# KiCad board RCP-FLEX.kicad_pcb
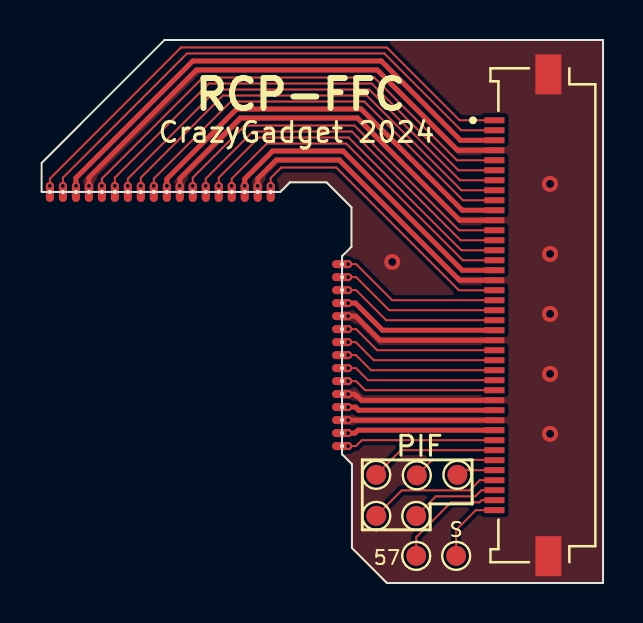
[diagram p0: board, top side]
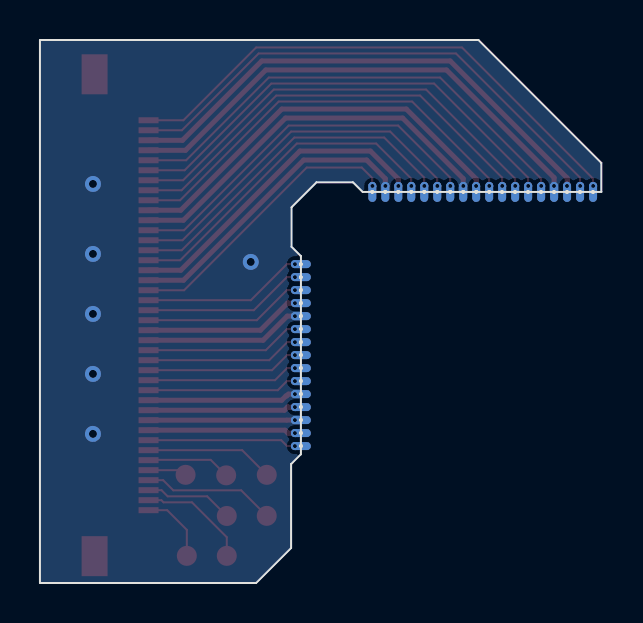
[diagram p1: board, bottom side, seen from below]

Outline 28.1 x 27.16 mm; copper layers: Top, Bottom. Coordinates in mm from the lower left corner of the outline.
Outline path: 0,19.56 0,21.01 6.15,27.16 28.1,27.16 28.1,0 17.28,0 15.53,1.75 15.53,5.95 15.04,6.44 15.04,16.35 15.51,16.82 15.51,18.79 14.26,20.04 12.43,20.04 11.95,19.56 0,19.56

## Placement (name value [footprint] x y rotation side)
J1  Conn_01x40_MountingPin  [MOLEX_505110-4091-REVERSE-PINOUT]  25.09 13.39 90 top
TP1  Cart-3  [TestPoint_RCP-NUS]  0.41 19.56 0 top
TP2  Cart-28  [TestPoint_RCP-NUS]  1.06 19.56 0 top
TP3  3v3  [TestPoint_RCP-NUS]  1.72 19.56 0 top
TP4  GND  [TestPoint_RCP-NUS]  2.37 19.56 0 top
TP5  Cart-4  [TestPoint_RCP-NUS]  3.02 19.56 0 top
TP6  Cart-29  [TestPoint_RCP-NUS]  3.66 19.56 0 top
TP7  Cart-5  [TestPoint_RCP-NUS]  4.31 19.56 0 top
TP8  Cart-30  [TestPoint_RCP-NUS]  4.97 19.56 0 top
TP9  Cart-7  [TestPoint_RCP-NUS]  5.62 19.56 0 top
TP10  3v3  [TestPoint_RCP-NUS]  6.27 19.56 0 top
TP11  GND  [TestPoint_RCP-NUS]  6.91 19.56 0 top
TP12  Cart-32  [TestPoint_RCP-NUS]  7.56 19.56 0 top
TP13  Cart-8  [TestPoint_RCP-NUS]  8.22 19.56 0 top
TP14  Cart-33  [TestPoint_RCP-NUS]  8.87 19.56 0 top
TP15  Cart-10  [TestPoint_RCP-NUS]  9.52 19.56 0 top
TP16  3v3  [TestPoint_RCP-NUS]  10.16 19.56 0 top
TP17  GND  [TestPoint_RCP-NUS]  10.81 19.56 0 top
TP18  Cart-35  [TestPoint_RCP-NUS]  11.47 19.56 0 top
TP19  Cart-11  [TestPoint_RCP-NUS]  15.04 15.95 90 top
TP20  Cart-36  [TestPoint_RCP-NUS]  15.04 15.3 90 top
TP21  Cart-12  [TestPoint_RCP-NUS]  15.04 14.65 90 top
TP22  3v3  [TestPoint_RCP-NUS]  15.04 14 90 top
TP23  GND  [TestPoint_RCP-NUS]  15.04 13.35 90 top
TP24  Cart-37  [TestPoint_RCP-NUS]  15.04 12.7 90 top
TP25  Cart-15  [TestPoint_RCP-NUS]  15.04 12.05 90 top
TP26  Cart-40  [TestPoint_RCP-NUS]  15.04 11.4 90 top
TP27  Cart-16  [TestPoint_RCP-NUS]  15.04 10.75 90 top
TP28  Cart-41  [TestPoint_RCP-NUS]  15.04 10.1 90 top
TP29  GND  [TestPoint_RCP-NUS]  15.04 9.45 90 top
TP30  3v3  [TestPoint_RCP-NUS]  15.04 8.8 90 top
TP31  GND  [TestPoint_RCP-NUS]  15.04 8.15 90 top
TP32  3v3  [TestPoint_RCP-NUS]  15.04 7.5 90 top
TP33  Cart-20  [TestPoint_RCP-NUS]  15.04 6.85 90 top
TP34  PIF-1  [TestPoint_Pad_D1.0mm]  16.75 5.41 0 top
TP35  PIF-3  [TestPoint_Pad_D1.0mm]  18.78 5.38 0 top
TP36  PIF-5  [TestPoint_Pad_D1.0mm]  20.81 5.41 0 top
TP37  PIF-7  [TestPoint_Pad_D1.0mm]  16.75 3.36 0 top
TP38  PIF-24  [TestPoint_Pad_D1.0mm]  18.75 3.35 0 top
TP39  CPU-57  [TestPoint_Pad_D1.0mm]  18.75 1.36 0 top
TP40  VDC-NUS-32  [TestPoint_Pad_D1.0mm]  20.75 1.36 0 top

## Library data of the parts
J1 = -: Description: Generic connectable mounting pin connector, single row, 01x40, script generated (kicad-library-utils/schlib/autogen/connector/)
TP1-TP40 = -: Description: test point

## Footprints (pads in the part's own frame, mm; a bottom-side part is the same pattern mirrored in y, then rotated)
MOLEX_505110-4091-REVERSE-PINOUT
  rect 0.3x1 smd: 1(9.75,2.425) 2(9.25,2.425) 3(8.75,2.425) 4(8.25,2.425) 5(7.75,2.425) 6(7.25,2.425) 7(6.75,2.425) 8(6.25,2.425) 9(5.75,2.425) 10(5.25,2.425) 11(4.75,2.425) 12(4.25,2.425) 13(3.75,2.425) 14(3.25,2.425) 15(2.75,2.425) 16(2.25,2.425) 17(1.75,2.425) 18(1.25,2.425) 19(0.75,2.425) 20(0.25,2.425) 21(-0.25,2.425) 22(-0.75,2.425) 23(-1.25,2.425) 24(-1.75,2.425) 25(-2.25,2.425) 26(-2.75,2.425) 27(-3.25,2.425) 28(-3.75,2.425) 29(-4.25,2.425) 30(-4.75,2.425) 31(-5.25,2.425) 32(-5.75,2.425) 33(-6.25,2.425) 34(-6.75,2.425) 35(-7.25,2.425) 36(-7.75,2.425) 37(-8.25,2.425) 38(-8.75,2.425) 39(-9.25,2.425) 40(-9.75,2.425)
  rect 2x1.3 smd: MP(-12.05,-0.275) MP(12.05,-0.275)
TestPoint_Pad_D1.0mm
  round 1 smd: 1(0,0)
TestPoint_RCP-NUS
  oval 0.4x1 hole 0.2: 1(0,0)

## Nets
3v3: J1.3 J1.10 J1.16 J1.22 J1.30 J1.32 TP3.1 TP10.1 TP16.1 TP22.1 TP30.1 TP32.1
GND: J1.4 J1.11 J1.17 J1.23 J1.29 J1.31 J1.MP TP4.1 TP11.1 TP17.1 TP23.1 TP29.1 TP31.1
Net-(J1-Pin_1): J1.1 TP1.1
Net-(J1-Pin_2): J1.2 TP2.1
Net-(J1-Pin_5): J1.5 TP5.1
Net-(J1-Pin_6): J1.6 TP6.1
Net-(J1-Pin_7): J1.7 TP7.1
Net-(J1-Pin_8): J1.8 TP8.1
Net-(J1-Pin_9): J1.9 TP9.1
Net-(J1-Pin_12): J1.12 TP12.1
Net-(J1-Pin_13): J1.13 TP13.1
Net-(J1-Pin_14): J1.14 TP14.1
Net-(J1-Pin_15): J1.15 TP15.1
Net-(J1-Pin_18): J1.18 TP18.1
Net-(J1-Pin_19): J1.19 TP19.1
Net-(J1-Pin_20): J1.20 TP20.1
Net-(J1-Pin_21): J1.21 TP21.1
Net-(J1-Pin_24): J1.24 TP24.1
Net-(J1-Pin_25): J1.25 TP25.1
Net-(J1-Pin_26): J1.26 TP26.1
Net-(J1-Pin_27): J1.27 TP27.1
Net-(J1-Pin_28): J1.28 TP28.1
Net-(J1-Pin_33): J1.33 TP33.1
Net-(J1-Pin_34): J1.34 TP34.1
Net-(J1-Pin_35): J1.35 TP35.1
Net-(J1-Pin_36): J1.36 TP36.1
Net-(J1-Pin_37): J1.37 TP37.1
Net-(J1-Pin_38): J1.38 TP38.1
Net-(J1-Pin_39): J1.39 TP39.1
Net-(J1-Pin_40): J1.40 TP40.1

## Via types
v1: diameter 0.4, hole 0.2, Top to Bottom, 33 vias
v2: diameter 0.8, hole 0.4, Top to Bottom, 6 vias

## Routing (per net, layer and track width the routed paths; a pad name or vN(x,y) marks a point on that pad's centre or on a via; arc(x,y) is an arc through that point)
3v3: length 86.5
  Top w0.25: J1.22 17.07,12.64 15.71,14 v1(15.34,14) TP22.1 ; J1.32 15.83,7.64 15.69,7.5 v1(15.34,7.5) TP32.1 ; TP16.1 10.16,19.85 v1(10.16,19.86) 10.16,19.86 10.16,20.21 11.56,21.6 15.09,21.6 21.05,15.64 J1.16 ; TP3.1 1.72,19.85 v1(1.72,19.86) 1.72,19.86 1.72,20.26 7.56,26.11 17,26.11 20.97,22.14 J1.3 ; J1.10 21.06,18.64 15.99,23.7 9.76,23.7 6.27,20.21 6.27,19.86 v1(6.27,19.86) 6.27,19.85 TP10.1 ; TP30.1 v1(15.34,8.8) 15.71,8.8 15.87,8.64 J1.30
  Bottom w0.25: TP3.1 1.72,19.95
GND: length 83.6
  Top w0.25: 15.74,8.15 v1(15.34,8.15) TP31.1 ; J1.29 16,9.14 15.79,9.36 15.75,9.36 15.66,9.45 v1(15.34,9.45) TP29.1 ; J1.23 16.93,12.14 15.72,13.35 v1(15.34,13.35) TP23.1 ; J1.17 20.91,15.14 14.9,21.15 11.75,21.15 10.81,20.22 10.81,19.86 v1(10.81,19.86) 10.81,19.85 TP17.1 ; TP11.1 6.91,19.85 v1(6.91,19.86) 6.91,19.86 6.91,20.22 9.95,23.25 15.81,23.25 20.92,18.14 J1.11 ; J1.4 20.81,21.64 16.8,25.66 7.75,25.66 2.37,20.27 2.37,19.86 v1(2.37,19.86) 2.37,19.85 TP4.1 ; 15.77,8.14 J1.31
  vias: v2(17.55,16.06) v2(25.45,19.96) v2(25.45,16.46) v2(25.45,13.46) v2(25.45,10.46) v2(25.45,7.46)
Net-(J1-Pin_1): length 27.1
  Top w0.1: TP1.1 0.41,19.85 v1(0.41,19.86) 0.41,19.86 0.41,20.22 6.97,26.78 17.28,26.78 20.92,23.14 J1.1
Net-(J1-Pin_2): length 26.5
  Top w0.1: J1.2 21,22.64 17.16,26.48 7.28,26.48 1.06,20.27 1.06,19.86 v1(1.06,19.86) 1.06,19.85 TP2.1
Net-(J1-Pin_5): length 24.1
  Top w0.1: TP5.1 3.02,19.85 v1(3.01,19.86) 3.02,19.86 3.02,20.22 8.07,25.28 16.65,25.28 20.78,21.14 J1.5
Net-(J1-Pin_6): length 23.5
  Top w0.1: J1.6 20.86,20.64 16.52,24.98 8.37,24.98 3.66,20.27 3.66,19.86 v1(3.66,19.86) 3.66,19.85 TP6.1
Net-(J1-Pin_7): length 22.7
  Top w0.1: TP7.1 4.31,19.85 v1(4.31,19.86) 4.31,19.86 4.31,20.22 8.77,24.68 16.4,24.68 20.94,20.14 J1.7
Net-(J1-Pin_8): length 22.1
  Top w0.1: TP8.1 4.97,19.85 v1(4.96,19.86) 4.97,19.86 4.97,20.27 9.07,24.38 16.27,24.38 21.01,19.64 J1.8
Net-(J1-Pin_9): length 21.4
  Top w0.1: J1.9 21.09,19.14 16.15,24.08 9.47,24.08 5.62,20.22 5.62,19.86 v1(5.61,19.86) 5.62,19.85 TP9.1
Net-(J1-Pin_12): length 19.1
  Top w0.1: J1.12 20.89,17.64 15.65,22.88 10.17,22.88 7.56,20.27 7.56,19.86 v1(7.56,19.86) 7.56,19.85 TP12.1
Net-(J1-Pin_13): length 18.3
  Top w0.1: TP13.1 8.22,19.85 v1(8.21,19.86) 8.22,19.86 8.22,20.22 10.57,22.58 15.53,22.58 20.97,17.14 J1.13
Net-(J1-Pin_14): length 17.7
  Top w0.1: J1.14 21.01,16.64 15.37,22.28 10.87,22.28 8.87,20.27 8.87,19.86 v1(8.86,19.86) 8.87,19.85 TP14.1
Net-(J1-Pin_15): length 17
  Top w0.1: J1.15 21.08,16.14 15.24,21.98 11.27,21.98 9.52,20.22 9.52,19.86 v1(9.51,19.86) 9.52,19.85 TP15.1
Net-(J1-Pin_18): length 14.7
  Top w0.1: TP18.1 11.47,19.85 v1(11.46,19.86) 11.47,19.86 11.47,20.25 11.99,20.78 14.75,20.78 20.88,14.64 J1.18
Net-(J1-Pin_19): length 8.4
  Top w0.1: J1.19 17.55,14.14 15.74,15.95 v1(15.34,15.95) TP19.1
Net-(J1-Pin_20): length 8.3
  Top w0.1: TP20.1 v1(15.34,15.3) 15.74,15.3 17.4,13.64 J1.20
Net-(J1-Pin_21): length 8.2
  Top w0.1: J1.21 17.25,13.14 15.74,14.65 v1(15.34,14.65) TP21.1
Net-(J1-Pin_24): length 8.1
  Top w0.1: TP24.1 v1(15.34,12.7) 15.74,12.7 16.8,11.64 J1.24
Net-(J1-Pin_25): length 8
  Top w0.1: TP25.1 v1(15.34,12.05) 15.72,12.05 16.63,11.14 J1.25
Net-(J1-Pin_26): length 7.9
  Top w0.1: J1.26 16.49,10.64 15.73,11.4 v1(15.34,11.4) TP26.1
Net-(J1-Pin_27): length 7.9
  Top w0.1: TP27.1 v1(15.34,10.75) 15.73,10.75 16.34,10.14 J1.27
Net-(J1-Pin_28): length 7.8
  Top w0.1: TP28.1 v1(15.34,10.1) 15.74,10.1 16.2,9.64 J1.28
Net-(J1-Pin_33): length 7.7
  Top w0.1: TP33.1 v1(15.34,6.85) 15.73,6.85 16.02,7.14 J1.33
Net-(J1-Pin_34): length 6.4
  Top w0.1: TP34.1 17.98,6.64 J1.34
Net-(J1-Pin_35): length 4.2
  Top w0.1: TP35.1 19.56,6.16 22.65,6.16 J1.35
Net-(J1-Pin_36): length 2
  Top w0.1: J1.36 21.04,5.64 TP36.1
Net-(J1-Pin_37): length 6.7
  Top w0.1: TP37.1 18.03,4.63 21.43,4.63 21.93,5.14 J1.37
Net-(J1-Pin_38): length 4.5
  Top w0.1: TP38.1 19.73,4.33 21.71,4.33 22.02,4.64 J1.38
Net-(J1-Pin_39): length 5.6
  Top w0.1: TP39.1 18.75,2.29 20.49,4.03 21.92,4.03 22.02,4.14 J1.39
Net-(J1-Pin_40): length 3.6
  Top w0.1: TP40.1 20.75,2.66 21.73,3.64 J1.40

## Copper pours and planes (outline as drawn; the poured copper is in the pictures)
GND on Top, Bottom: -1.55,28.56 30.25,28.46 30.15,-0.74 -1.65,-0.74

## Text on the board
F.Silkscreen: 57 | S | CrazyGadget 2024 | PIF | RCP-FFC
